# Altium PCB controller.PcbDoc (part 1 of 6) (continued)
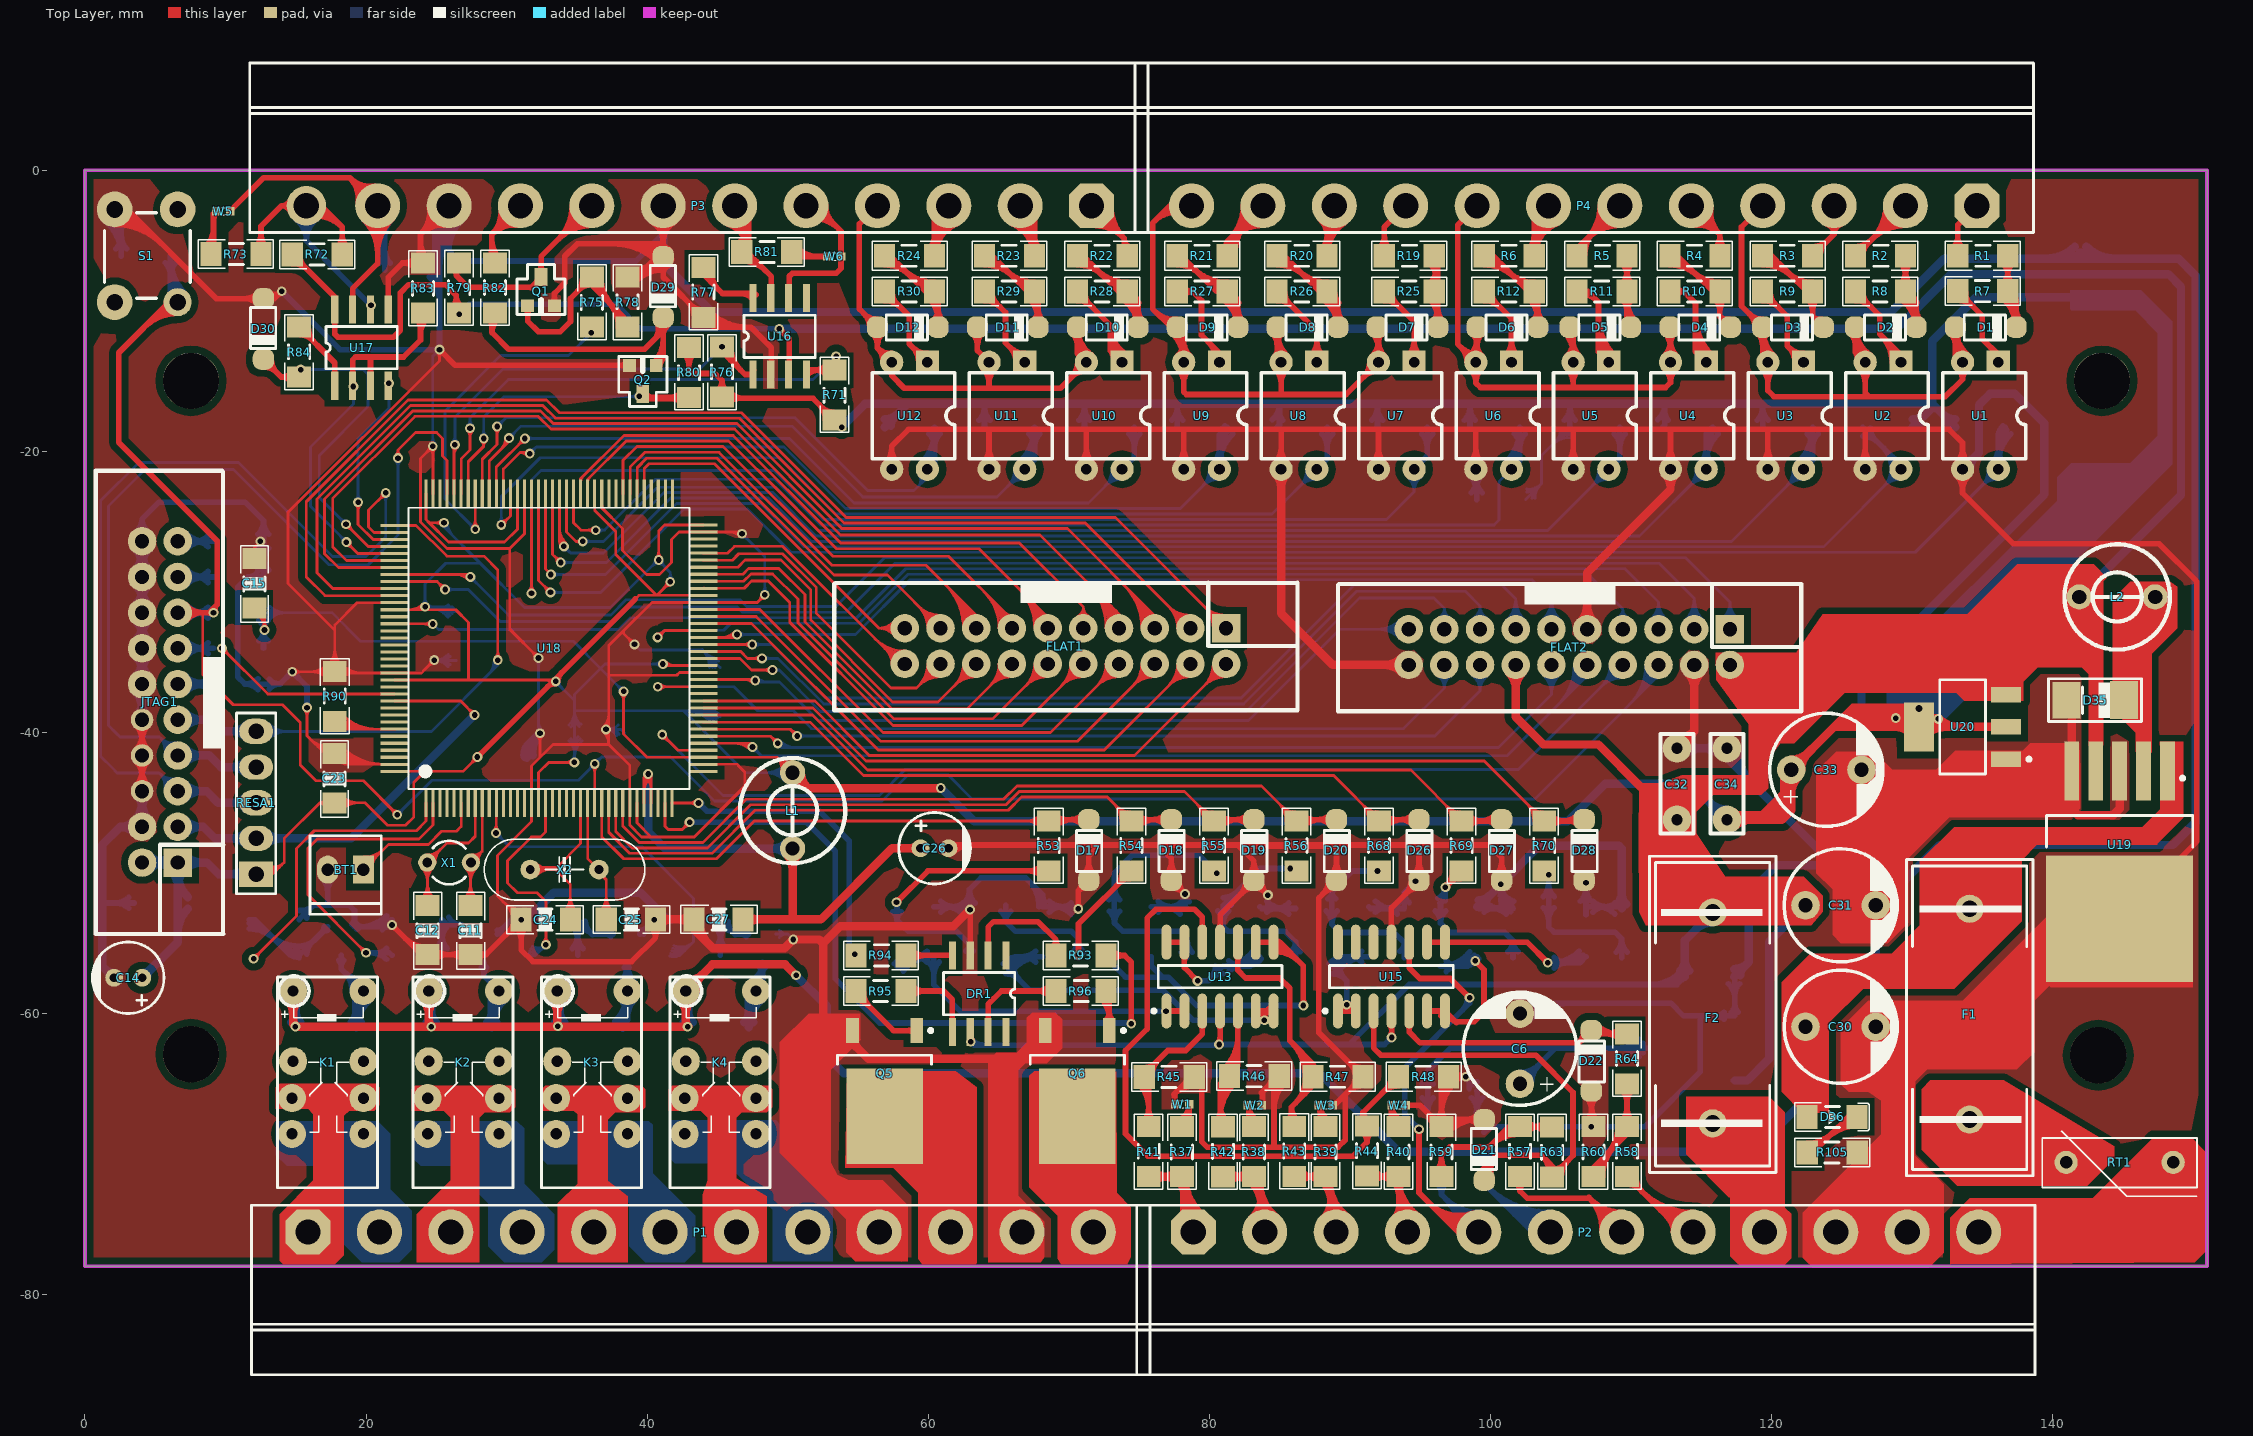
[diagram p0: Top Layer view]
## Components (designator, comment, footprint, x,y, rotation, side; value= is the part's Value field where it differs from the comment) (continued)
R77 "Res Semi" "RES 1206 (3216X08L)" 44,-9.975 r90 top
R78 "Res Semi" "RES 1206 (3216X08L)" 38.608,-10.668 r90 top
R79 "Res Semi" "RES 1206 (3216X08L)" 26.625,-9.65 r90 top
R80 "Res Semi" "RES 1206 (3216X08L)" 42.975,-13.125 r270 top
R81 "Res Semi" "RES 1206 (3216X08L)" 47.244,-5.825 r0 top
R82 "Res Semi" "RES 1206 (3216X08L)" 29.175,-9.65 r90 top
R83 "Res Semi" "RES 1206 (3216X08L)" 24.05,-7.125 r270 top
R84 "Res Semi" "RES 1206 (3216X08L)" 15.24,-14.224 r90 top
R85 "Res2" "RES 1206 (3216X08L)" 12.192,-31.496 r180 bottom
R86 "Res2" "RES 1206 (3216X08L)" 9.652,-36.576 r0 bottom
R87 "Res2" "RES 1206 (3216X08L)" 9.652,-28.956 r0 bottom
R88 "Res2" "RES 1206 (3216X08L)" 9.652,-26.416 r0 bottom
R89 "Res2" "RES 1206 (3216X08L)" 12.192,-34.036 r180 bottom
R90 "Res2" "RES 1206 (3216X08L)" 17.775,-38.725 r90 top
R93 "Res2" "RES 1206 (3216X08L)" 72.136,-55.88 r180 top
R94 "Res2" "RES 1206 (3216X08L)" 55.372,-55.88 r0 top
R95 "Res2" "RES 1206 (3216X08L)" 57.912,-58.42 r180 top
R96 "Res2" "RES 1206 (3216X08L)" 69.596,-58.42 r0 top
R97 "Res2" "RES 1206 (3216X08L)" 14.732,-55.88 r180 bottom
R98 "Res2" "RES 1206 (3216X08L)" 14.732,-53.34 r180 bottom
R99 "Res2" "RES 1206 (3216X08L)" 24.892,-55.88 r180 bottom
R100 "Res2" "RES 1206 (3216X08L)" 22.352,-53.34 r0 bottom
R101 "Res2" "RES 1206 (3216X08L)" 34.544,-55.88 r180 bottom
R102 "Res2" "RES 1206 (3216X08L)" 32.004,-53.34 r0 bottom
R103 "Res2" "RES 1206 (3216X08L)" 44.704,-55.88 r180 bottom
R104 "Res2" "RES 1206 (3216X08L)" 42.164,-53.34 r0 bottom
R105 "Res1" "RES 1206 (3216X08L)" 125.6,-69.9 r180 top
RESA1 "10K" "HEADER 5X1" 12.175,-50.1 r90 top
RT1 "Res Thermal" "Varistor Short Hieght - Vertical" 144.78,-70.612 r0 top
S1 "SW-DPST" SW4 6.6,-2.775 r270 top
U1 "817B" DIP+4 136.144,-13.67 r270 top
U2 "817B" DIP+4 129.217,-13.67 r270 top
U3 "817B" DIP+4 122.289,-13.67 r270 top
U4 "817B" DIP+4 115.362,-13.67 r270 top
U5 "817B" DIP+4 108.435,-13.67 r270 top
U6 "817B" DIP+4 101.508,-13.67 r270 top
U7 "817B" DIP+4 94.58,-13.67 r270 top
U8 "817B" DIP+4 87.653,-13.67 r270 top
U9 "817B" DIP+4 80.726,-13.67 r270 top
U10 "817B" DIP+4 73.799,-13.67 r270 top
U11 "817B" DIP+4 66.871,-13.67 r270 top
U12 "817B" DIP+4 59.944,-13.67 r270 top
U13 "LM324AD" SOP-14 80.772,-57.404 r90 top
U14 "ASM1117-3.3" SOT-223 114.3,-62.484 r270 bottom
U15 "LM324AD" SOP-14 92.964,-57.404 r90 top
U16 "MCP2551-I/SN" SOP8 47.525,-14.55 r90 top
U17 "MAX485CSA" SOP8 17.775,-15.35 r90 top
U18 "STM32F103ZET6" TQ144 33.02,-34.036 r90 top
U19 "LM2576" d2pak5-lead 144.78,-49.276 r270 top
U20 "ASM1117-3.3" SOT-223 133.604,-39.624 r90 top
W1 "Jumper" "RES 0402 (1005X04L)" 78.075,-66.475 r0 top
W2 "Jumper" "RES 0402 (1005X04L)" 83.25,-66.55 r180 top
W3 "Jumper" "RES 0402 (1005X04L)" 88.275,-66.55 r180 top
W4 "Jumper" "RES 0402 (1005X04L)" 93.472,-66.548 r180 top
W5 "Jumper" "RES 0402 (1005X04L)" 9.825,-2.925 r180 top
W6 "Jumper" "RES 0402 (1005X04L)" 53.3,-6.15 r180 top
X1 "XTAL" "XTAL RTC" 25.908,-49.276 r90 top
X2 "XTAL" "XTAL Small" 34.125,-49.775 r180 top

## Footprints (in the part's own frame and the unit in brackets; to place one, negate y for a bottom-side part, rotate by r counter-clockwise, add the part's x,y. Pads: shape width x height; smd on the part's side, far side on the other; paste and mask are expansions set on the pad)
2N3906_SMD [mil]
  rect 36x36 smd: 1(0,0) 2(75,0)
  rect 36x50 smd: 3(38,80)
  silkscreen extent -30,-25 105,115, body extent -20,-9 95,89, height 41
"box 20"#1 [mil]
  rect 80x80 hole 40: 1(0,0)
  round 80 hole 40: 2(0,-100) 3(-100,0) 4(-100,-100) 5(-200,0) 6(-200,-100) 7(-300,0) 8(-300,-100) 9(-400,0) 10(-400,-100) 11(-500,0) 12(-500,-100) 13(-600,0) 14(-600,-100) 15(-700,0) 16(-700,-100) 17(-800,0) 18(-800,-100) 19(-900,0) 20(-900,-100)
  silkscreen extent -1098,-230 200,127, body extent -1095,-245 200,125, height 366
"box 20"#2 [mil]
  rect 80x80 hole 40: 1(0,0)
  round 80 hole 40: 2(0,-100) 3(-100,0) 4(-100,-100) 5(-200,0) 7(-300,0) 9(-400,0) 11(-500,0) 12(-500,-100) 13(-600,0) 14(-600,-100) 15(-700,0) 16(-700,-100) 17(-800,0) 18(-800,-100) 19(-900,0) 20(-900,-100)
  round 62.99 hole 40: 6(-200,-100) 8(-300,-100) 10(-400,-100)
  silkscreen extent -1098,-230 200,127, body extent -1095,-245 200,125, height 366
"CAP 1206 (3216X08L)" [mm] "Chip Resistor, 2-Leads, Body 3.2x1.6mm, IPC High Density _ (0.125 W)"
  rect 1.5x1.7 smd: 1(-0.5,0) 2(3,0)
  silkscreen extent -1.43,-0.97 4.03,1, body extent -0.33,-0.83 2.87,0.77, height 1
d2pak5-lead [mm] "D2-PAK, 6-Leads, Body 8.6x10.2mm, Pitch 1.7mm, Lead Span 14.1mm, IPC Medium Density"
  rect 4.2x1.05 smd: 1(-6.5,3.4) 2(-6.5,1.7) 3(-6.5,0) 4(-6.5,-1.7) 5(-6.5,-3.4)
  rect 9x10.45 smd: 6(4,0)
  silkscreen extent -6.12,-5.2 -1.1,5.2, body extent -7.61,-5.21 7.61,5.09, height 4.5
"Diode-1n4148 - SMD PAD" [mil]
  rrect75% 59.06x60 smd: 1(40,0) 2(210,0)
  silkscreen extent 65,-36 180,34, body extent 52,-29 190,30, height 57
DIP+4 [mil]
  rect 65x65 hole 30: 1(0,0)
  round 65 hole 30: 2(0,-100) 3(300,-100) 4(300,0)
  silkscreen extent 30,-155 270,77, body extent -23,-135 323,45, height 145
DO214AC [mm] "M1 TO M7 DIODE"
  rect 2x2.6 smd: 1(0,0)
  rect 2x2.7 smd: 2(4.1,0)
  silkscreen extent -1.27,-1.52 5.33,1.52, body extent -0.71,-1.4 4.78,1.4, height 2.24
dpak-to252 [mm] "D-PAK, 4-Leads, Body 6.1x6.6mm, Pitch 2.29mm, Lead Span 9.7mm, IPC High Density"
  rect 1.8x0.9 smd: 1(-4.3,2.28) 3(-4.3,-2.28)
  rect 6.8x5.45 smd: 2(1.8,0)
  silkscreen extent -4.42,-3.35 -1.9,3.4, body extent -5.05,-3.43 5.05,3.3, height 2.37
"fuse plastic holder" [mm] "plastic fuse holder"
  round 2 hole 1.2: 1(0,0) 2(15,0)
  silkscreen extent -4,-4.5 18.5,4.5, body extent -3.4,-3.01 17.9,3.27, height 9.6
HDR1*2 [mm]
  rect 1.5x2 hole 0.9: 1(0,0)
  oval 1.5x2 hole 0.9: 2(2.54,0)
  silkscreen extent -1.27,-2.41 3.81,3.18, body extent -1.27,-2.5 3.85,3.3, height 11.4
"HEADER 5X1" [mm]
  rect 1.8x2.4 hole 1.1: 1(0,0)
  oval 1.8x2.4 hole 1.1: 2(2.54,0) 3(5.08,0) 4(7.62,0) 5(10.16,0)
  silkscreen extent -1.4,-1.4 11.46,1.4, body extent -1.22,-1.19 11.48,1.35, height 8.38
led-1206 [mm]
  rect 1.5x1.7 smd: 1(-1.808,0.025) 2(1.748,0.025)
  silkscreen extent -2.7,-0.99 2.6,1.04, body extent -1.55,-0.8 1.65,0.8, height 1.1
"POL 100U16V" [mm]
  round 1.27 hole 0.635: 1(1,0) 2(-1,0)
  silkscreen extent -2.55,-2.55 2.55,2.55, body extent -2.53,-2.53 2.53,2.53, height 12
"POL 100U/25V" [mil]
  round 80 hole 40: 1(0,0) 2(196.85,0)
  silkscreen extent -60,-158 257,158, body extent -57,-160 260,157, height 473
"POL 220U/35V" [mil]
  round 80 hole 40: 1(0,0) 2(196.85,0)
  silkscreen extent -60,-158 257,158, body extent -57,-160 260,157, height 473
"REC 10N" [mil]
  round 80 hole 32: 1(0,0) 2(200,0)
  silkscreen extent -40,-46 239,46, body extent -26,-46 222,49, height 269
"RELAY 12V ATX203" [mm] "POLARIT RELAY 8 PIN ATX203 TX2-12V"
  round 2 hole 0.8: 1(7.62,0) 1(7.62,-5.08) 2(5,0) 2(5,-5) 3(10.16,0) 3(10.16,-5.08) 4(0,-5) 5(0,0)
  silkscreen extent -1.08,-6.11 14,1, body extent -1.15,-6.26 13.85,1.14, height 2.7
"RES 0402 (1005X04L)" [mm] "Chip Resistor, 2-Leads, Body 1.0x0.5mm, IPC High Density _ (0.031/0.063 W)"
  rect 0.6x0.6 smd: 1(-0.5,0) 2(0.5,0)
  silkscreen extent -0.15,-0.25 0.15,0.25, body extent -0.51,-0.25 0.51,0.25, height 0.35
"RES 1206 (3216X08L)" [mm] "Chip Resistor, 2-Leads, Body 3.2x1.6mm, IPC High Density _ (0.125 W)"
  rect 1.5x1.7 smd: 1(-0.508,0) 2(3.048,0)
  silkscreen extent -1.4,-1.02 3.94,1.02, body extent -0.28,-0.8 2.82,0.8, height 0.55
SOP8 [mm]
  rect 2x0.51 smd: 1(0,0) 2(0,-1.27) 3(0,-2.54) 4(0,-3.81) 5(5.44,-3.81) 6(5.44,-2.54) 7(5.44,-1.27) 8(5.44,0)
  silkscreen extent 1.21,-4.44 4.23,0.64
SOP-14 [mm]
  oval 2.5x0.7 smd: 1(-2.437,3.811) 2(-2.437,2.541) 3(-2.437,1.271) 4(-2.437,0.001) 5(-2.437,-1.269) 6(-2.437,-2.539) 7(-2.437,-3.809) 8(2.463,-3.809) 9(2.463,-2.539) 10(2.463,-1.269) 11(2.463,0.001) 12(2.463,1.271) 13(2.463,2.541) 14(2.463,3.811)
  silkscreen extent -2.56,-4.4 0.81,4.84, body extent -3,-4.21 3,4.35, height 1.8
SOT-223 [mm] "SOT-223/SC-73; 4 Leads; Body 6.7 x 7.3 mm, inc. leads (LxW max)"
  rect 1.1x2.15 smd: 1(-2.3,-3.1) 2(0,-3.1) 3(2.3,-3.1)
  rect 3.5x2.15 smd: 4(0,3.1)
  silkscreen extent -3.35,-4.85 3.35,1.63
SW4 [mil]
  round 100 hole 47: 1(1.06,-0.16) 3(1.06,-176.53) 4(260.91,-176.53)
  round 78.74 hole 47: 2(260.91,-0.16)
  silkscreen extent 10,-205 250,35, body extent -47,-206 307,30, height 197
TQ144 [mm]
  rect 2x0.22 smd: 1(-11,8.75) 2(-11,8.25) 3(-11,7.75) 4(-11,7.25) 5(-11,6.75) 6(-11,6.25) 7(-11,5.75) 8(-11,5.25) 9(-11,4.75) 10(-11,4.25) 11(-11,3.75) 12(-11,3.25) 13(-11,2.75) 14(-11,2.25) 15(-11,1.75) 16(-11,1.25) 17(-11,0.75) 18(-11,0.25) 19(-11,-0.25) 20(-11,-0.75) 21(-11,-1.25) 22(-11,-1.75) 23(-11,-2.25) 24(-11,-2.75) 25(-11,-3.25) 26(-11,-3.75) 27(-11,-4.25) 28(-11,-4.75) 29(-11,-5.25) 30(-11,-5.75) 31(-11,-6.25) 32(-11,-6.75) 33(-11,-7.25) 34(-11,-7.75) 35(-11,-8.25) 36(-11,-8.75) 73(11,-8.775) 74(11,-8.275) 75(11,-7.775) 76(11,-7.275) 77(11,-6.775) 78(11,-6.275) 79(11,-5.775) 80(11,-5.275) 81(11,-4.775) 82(11,-4.275) 83(11,-3.75) 84(11,-3.25) 85(11,-2.75) 86(11,-2.25) 87(11,-1.75) 88(11,-1.25) 89(11,-0.75) 90(11,-0.25) 91(11,0.25) 92(11,0.75) 93(11,1.25) 94(11,1.75) 95(11,2.25) 96(11,2.75) 97(11,3.25) 98(11,3.75) 99(11,4.25) 100(11,4.75) 101(11,5.25) 102(11,5.75) 103(11,6.25) 104(11,6.75) 105(11,7.25) 106(11,7.75) 107(11,8.25) 108(11,8.75)
  rect 0.22x2 smd: 37(-8.75,-11) 38(-8.25,-11) 39(-7.75,-11) 40(-7.25,-11) 41(-6.75,-11) 42(-6.25,-11) 43(-5.75,-11) 44(-5.25,-11) 45(-4.75,-11) 46(-4.25,-11) 47(-3.75,-11) 48(-3.225,-11) 49(-2.725,-11) 50(-2.225,-11) 51(-1.725,-11) 52(-1.225,-11) 53(-0.725,-11) 54(-0.225,-11) 55(0.275,-11) 56(0.775,-11) 57(1.275,-11) 58(1.775,-11) 59(2.275,-11) 60(2.775,-11) 61(3.275,-11) 62(3.775,-11) 63(4.275,-11) 64(4.775,-11) 65(5.275,-11) 66(5.775,-11) 67(6.275,-11) 68(6.775,-11) 69(7.275,-11) 70(7.775,-11) 71(8.275,-11) 72(8.775,-11) 109(8.75,11) 110(8.25,11) 111(7.75,11) 112(7.25,11) 113(6.75,11) 114(6.25,11) 115(5.75,11) 116(5.25,11) 117(4.75,11) 118(4.25,11) 119(3.75,11) 120(3.25,11) 121(2.75,11) 122(2.25,11) 123(1.75,11) 124(1.25,11) 125(0.75,11) 126(0.25,11) 127(-0.25,11) 128(-0.75,11) 129(-1.25,11) 130(-1.75,11) 131(-2.25,11) 132(-2.75,11) 133(-3.25,11) 134(-3.75,11) 135(-4.25,11) 136(-4.75,11) 137(-5.25,11) 138(-5.75,11) 139(-6.25,11) 140(-6.75,11) 141(-7.25,11) 142(-7.75,11) 143(-8.25,11) 144(-8.75,11)
  silkscreen extent -10,-10 10,10, body extent -10.99,-11.02 11.01,10.98, height 1.69
TR [mm]
  round 1.8 hole 1.016: 1(0.018,0) 2(5.418,0)
  silkscreen extent -1.03,-3.75 6.47,3.75, body extent -2.25,-5 7.75,5, height 13.63
"Varistor Short Hieght - Vertical" [mil]
  round 65 hole 35: 1(150,0) 2(-150,0)
  silkscreen extent -216,-95 216,88, body extent -216,-70 216,68, height 472
W23112R5MILH#1 [mm]
  oct 3.2x3.2 hole 1.8: 1(-27.94,0)
  round 3.2 hole 1.8: 2(-22.86,0) 3(-17.78,0) 4(-12.7,0) 5(-7.62,0) 6(-2.54,0) 7(2.54,0) 8(7.62,0) 9(12.7,0) 10(17.78,0) 11(22.86,0) 12(27.94,0)
  silkscreen extent -31.96,-10.16 31.96,1.91
W23112R5MILH#2 [mm]
  oct 3.2x3.2 hole 1.8: 1(-27.94,0)
  round 3.2 hole 1.8: 2(-22.86,0) 3(-17.78,0) 4(-12.7,0) 5(-7.62,0) 6(-2.54,0) 7(2.54,0) 8(7.62,0) 9(12.7,0) 10(17.78,0) 11(22.86,0)
  round 2.8 hole 1.8: 12(27.94,0)
  silkscreen extent -31.96,-10.16 31.96,1.91
"XTAL RTC" [mm]
  round 1.3 hole 0.7: 1(0,1.55) 2(0,-1.55)
  silkscreen extent -1.55,-1.19 1.55,1.17, body extent -1.6,-1.73 1.6,1.72, height 8.98
"XTAL Small" [mil]
  round 55 hole 25: 1(-96.06,0) 2(96.06,0)
  silkscreen extent -225,-85 225,85, body extent -226,-89 226,89, height 140

## Part data
BT1: "Multicell Battery"
C1 C2 C3 C4 C5 C7 C8 C9 C10 C11 C12 C13 C15 C16 C17 C18 C19 C20 C21 C22 C23 C24 C25 C27 C32 C34: "Capacitor"
C6 C14 C26 C30 C31 C33: "Polarized Capacitor (Radial)"
D1 D2 D3 D4 D5 D6 D7 D8 D9 D10 D11 D12 D17 D18 D19 D20 D21 D22 D26 D27 D28 D30: library part "D Zener", "Zener Diode"
D13 D14 D15 D16 D23 D24 D25 D29: library part Diode, "Default Diode"
D31 D32 D33 D34: "High Conductance Fast Diode"
D35: "Schottky Diode"
D36: "Typical INFRARED GaAs LED"
F1 F2: "Fuse"
FLAT1 FLAT2 JTAG1: "Header, 10-Pin, Dual row"
K1 K2 K3 K4: "SPDT Relay"
P1 P2 P3 P4: "Header, 12-Pin"
Q1 Q2 Q7 Q8 Q9 Q10: "NPN General Purpose Amplifier"
Q5 Q6: "N-Channel MOSFET"
R1 R2 R3 R4 R5 R6 R7 R8 R9 R10 R11 R12 R13 R14 R15 R16 R17 R18 R19 R20 R21 R22 R23 R24 R25 R26 R27 R28 R29 R30 R31 R32 R33 R34 R35 R36 R49 R50 R51 R52 R53 R54 R55 R56 R65 R66 R67 R68 R69 R70 R71 R72 R73 R74 R75 R76 R77 R78 R79 R80 R81 R82 R83 R84: "Semiconductor Resistor"
R37 R38 R39 R40 R41 R42 R43 R44 R45 R46 R47 R48 R57 R58 R59 R60 R61 R62 R63 R64 R85 R86 R87 R88 R89 R90 R93 R94 R95 R96 R97 R98 R99 R100 R101 R102 R103 R104 R105: "Resistor"
RESA1: library part MHDR1X5, "Header, 5-Pin"
RT1: "Thermistor"
S1: "Double-Pole, Single-Throw Switch"
U1 U2 U3 U4 U5 U6 U7 U8 U9 U10 U11 U12: library part Optoisolator1, "4-Pin Phototransistor Optocoupler"
U13 U15: "Low-Power Quad Operational Amplifier"
U16: "High-Speed CAN Transceiver, 8-Pin SOIC, Industrial Temperature"
U17: "Low-Power, Slew-Rate-Limited RS-485/RS-422 Transceiver"
U18: "ARM Cortex-M3 32-bit MCU, 512 KB Flash, 64 KB Internal RAM, 112 I/Os, 144-pin LQFP, -40 to 85 degC, Tray"
U19: library part LM2576-5V
W1 W2 W3 W4 W5 W6: "Jumper Wire"
X1 X2: "Crystal Oscillator"

## Free pads (board coordinates)
  round 4 hole 4 mask+2: 5(7.54,-62.92) 5(7.54,-15) 5(143.256,-62.986) 5(143.52,-15)

## Via types
v1: diameter 0.7, hole 0.4, Top Layer to Bottom Layer, tented both sides, 124 vias
v2: diameter 0.8, hole 0.5, Top Layer to Bottom Layer, tented both sides, 1 vias

## Nets (pads, with @x,y where several pads share a name; then routed paths per layer and width w, separated by ;. In a path a pad name is that pad's centre, name@x,y a point inside that pad or via, vN(x,y) a via of type N, cw(c..) or ccw(c..) an arc to the next point about the centre after c; other vN are vias at no path point)
3.3REF: C5.2 C6.1 R61.2 U14.2 U14.4 | length 38.6
  Bottom Layer w0.4: C5.2@95.163,-66.021 cw(c94.224,-66.96) 95.552,-66.96 cw(c96.88,-66.96) C5.2@95.941,-66.021 ; C5.2@95.163,-65.043 ccw(c94.224,-64.104) 95.552,-64.104 ccw(c96.88,-64.104) C5.2@95.941,-65.043 ; 95.502,-67.054 cw(c94.604,-67.952) R61.2@95.871,-68.036 ; 95.652,-67.204 ccw(c96.42,-66.436) R61.2@96.42,-67.522 ; R61.2@96.52,-68.072 95.552,-67.104 C5.2@95.552,-65.532 95.552,-64.087 97.155,-62.484 104.648,-62.484 ; C6.1@102.108,-65.024 104.648,-62.484 ; C6.1@102.108,-64.208 ccw(c102.108,-62.238) 103.501,-63.631 ccw(c104.894,-65.024) C6.1@102.924,-65.024 ; U14.4@110.581,-63.103 ccw(c109.088,-64.596) 109.088,-62.484 ccw(c109.088,-60.372) U14.4@110.581,-61.865 ; U14.4@110.864,-62.82 ccw(c110.053,-63.631) 110.053,-62.484 ccw(c110.053,-61.337) U14.4@110.864,-62.148 ; U14.4@111.2,-62.484 104.648,-62.484
3.3V: C14.1 C15.2 C16.2 C17.2 C18.2 C19.2 C20.2 C21.2 C22.2 C23.2 C33.1 C34.2 JTAG1.1 JTAG1.2 L1.2 R13.2 R14.2 R15.2 R16.2 R17.2 R18.2 R31.2 R32.2 R33.2 R34.2 R35.2 R36.2 R71.2 R76.1 R80.1 R85.1 R89.1 RESA1.1 U18.17 U18.39 U18.52 U18.62 U18.72 U18.84 U18.95 U18.108 U18.121 U18.131 U18.144 U20.2 U20.4 | length 708.5
  Top Layer w0.2: C15.2@12.025,-31.582 cw(c11.738,-32.579) v1@12.775,-32.579 ; C15.2@12.05,-31.15 12.775,-31.875 v1(12.775,-32.725) ; C15.2@12.081,-31.39 cw(c11.815,-32.313) 12.775,-32.313 ; C15.2@12.136,-31.198 cw(c11.891,-32.047) 12.775,-32.047 ; RESA1.1@12.175,-50.1 13.35,-50.1 14.175,-49.275 ; C15.2@12.192,-31.006 cw(c11.968,-31.781) C15.2@12.775,-31.781 ; RESA1.1@12.475,-50.1 ccw(c12.898,-49.422) 13.463,-49.987 ; RESA1.1@12.581,-49.93 ccw(c13.035,-49.202) 13.641,-49.809 ; v1@12.598,-32.548 ccw(c12.171,-32.121) 12.775,-32.121 ccw(c13.379,-32.121) v1@12.952,-32.548 ; RESA1.1@12.687,-49.761 ccw(c13.171,-48.983) 13.819,-49.631 ; RESA1.1@12.792,-49.591 ccw(c13.308,-48.764) 13.997,-49.453 ; RESA1.1@12.898,-49.421 ccw(c13.445,-48.545) 14.175,-49.275 ; C23.2@17.038,-45.245 ccw(c16.725,-45.358) 16.725,-45.025 ; C23.2@17.038,-44.805 cw(c16.725,-44.692) 16.725,-45.025 ; C23.2@18.168,-45.343 cw(c18.936,-46.111) 18.936,-45.025 cw(c18.936,-43.939) C23.2@18.168,-44.707 ; C23.2@18.31,-45.485 cw(c19.419,-46.594) 19.419,-45.025 cw(c19.419,-43.456) C23.2@18.31,-44.565 ; U18.144@22.02,-42.786 24.175,-42.786 ; U18.131@22.02,-36.286 27.3,-36.286 ; U18.121@22.02,-31.286 v1@23.989,-31.286 ; 23.087,-31.286 ccw(c23.087,-29.962) v1@24.023,-30.898 ; 23.57,-31.286 ccw(c23.57,-30.445) v1@24.165,-31.04 ; v1(24.2,-31.075) v1@23.989,-31.286 ; U18.108@24.27,-23.036 24.27,-24.87 24.5,-25.1 ; v1@25.373,-25.277 ccw(c24.946,-25.704) 24.946,-25.1 ccw(c24.946,-24.496) v1@25.373,-24.923 ; v1(25.55,-25.1) 24.5,-25.1 ; v1@27.675,-41.761 cw(c27.071,-41.761) 27.498,-42.188 cw(c27.925,-42.615) v1@27.925,-42.011 ; v1(27.925,-41.761) 26.9,-42.786 24.175,-42.786 ; U18.95@30.77,-23.036 30.77,-25.555 29.85,-26.475 25.875,-26.475 24.5,-25.1 ; U18.17@32.27,-45.036 32.27,-42.88 33,-42.15 v1(34.825,-42.15) ; 32.655,-36.286 cw(c32.655,-37.231) v1@33.323,-36.563 ; v1@33.323,-36.209 cw(c33.138,-36.024) 33.138,-36.286 cw(c33.138,-36.748) v1@33.465,-36.421 ; v1(33.5,-36.386) 33.4,-36.286 27.3,-36.286 ; v1@34.648,-42.327 ccw(c34.221,-42.754) 34.221,-42.15 ccw(c34.221,-41.546) v1@34.648,-41.973 ; U18.84@36.27,-23.036 36.27,-24.226 37.771,-25.727 37.771,-27.346 40.686,-30.261 ; v1@38.148,-37.277 cw(c37.721,-37.704) 38.325,-37.704 cw(c38.929,-37.704) v1@38.502,-37.277 ; v1(38.325,-37.1) 38.325,-40.125 39.986,-41.786 U18.39@44.02,-41.786 49.254,-41.786 ; 39.168,-30.518 39.425,-30.261 40.686,-30.261 ; v1@40.648,-27.573 ccw(c40.221,-27.146) 40.825,-27.146 ccw(c41.429,-27.146) v1@41.002,-27.573 ; v1(40.825,-27.75) 40.825,-25.675 41.239,-25.261 U18.72@44.02,-25.261 ; v1(41.125,-35.15) 41.236,-35.261 U18.52@44.02,-35.261 ; v1@41.16,-35.115 ccw(c41.514,-34.761) 41.514,-35.261 ; v1@41.302,-35.327 cw(c41.461,-35.486) 41.461,-35.261 ; v1@41.302,-34.973 ccw(c41.997,-34.278) 41.997,-35.261 ; v1@41.4,-29.297 cw(c40.796,-29.297) 41.223,-29.724 cw(c41.65,-30.151) v1@41.65,-29.547 ; v1(41.65,-29.297) 40.686,-30.261 ; U18.62@44.02,-30.261 40.686,-30.261 ; L1.2@49.561,-42.749 ccw(c48.475,-42.565) 49.254,-41.786 ; L1.2@49.758,-42.782 ccw(c48.943,-42.644) 49.528,-42.06 ccw(c50.112,-41.476) L1.2@50.25,-42.291 ; L1.2@50.217,-42.093 cw(c50.033,-41.007) 49.254,-41.786 ; L1.2@50.35,-42.882 49.254,-41.786 ; 14.175,-49.275 14.175,-47.575 16.725,-45.025 ; 16.725,-45.025 C23.2@17.75,-45.025 19.925,-45.025 21.525,-46.625 22.8,-46.625 23.4,-46.025 23.4,-43.561 24.175,-42.786 ; v1@23.989,-31.286 24.2,-31.286 26.386,-31.286 27.3,-32.2 27.3,-36.286
  Top Layer w0.4: v1(27.925,-41.761) 33.4,-36.286 39.168,-30.518 ; v1@27.925,-41.611 ccw(c27.925,-41.249) 28.181,-41.505 ccw(c28.437,-41.761) v1@28.075,-41.761 ; 32.903,-36.783 cw(c33.5,-37.381) v1@33.5,-36.536 ; v1@33.65,-36.386 cw(c34.495,-36.386) 33.897,-35.789 ; R80.1@42.586,-13.006 cw(c41.647,-13.945) 42.975,-13.945 cw(c44.303,-13.945) R80.1@43.364,-13.006 ; R80.1@42.975,-12.617 42.975,-14.2 43.25,-14.475 44.825,-14.475 45.325,-14.975 ; R76.1@44.971,-15.737 ccw(c44.328,-14.975) 45.325,-14.975 ; R76.1@45.325,-16.458 R76.1@45.325,-16.158 ; R76.1@45.679,-15.737 cw(c46.322,-14.975) 45.325,-14.975 ; R76.1@45.814,-16.547 cw(c46.531,-17.264) 46.531,-16.25 ; R76.1@45.814,-15.769 ccw(c46.975,-14.608) 46.975,-16.25 ; 52.23,-16.67 cw(c51.121,-17.78) R71.2@52.69,-17.78 ; 52.472,-16.912 ccw(c53.24,-16.144) R71.2@53.24,-17.23 ; R71.2@53.698,-18.288 ccw(c53.336,-18.288) 53.592,-18.032 ccw(c53.848,-17.776) R71.2@53.848,-18.138 ; v1(53.848,-18.288) R71.2@53.34,-17.78 51.81,-16.25 45.417,-16.25 R76.1@45.325,-16.158 ; R76.1@45.325,-16.158 45.325,-14.975
  Top Layer w0.6: L1.2@50.35,-43.482 cw(c50.35,-44.931) 51.374,-43.906 cw(c52.399,-42.882) L1.2@50.95,-42.882 ; L1.2@50.35,-42.882 51.443,-43.975 v1(60.9,-43.975) ; C34.2@117.346,-46.734 cw(c118.569,-47.957) 118.569,-46.228 cw(c118.569,-44.499) C34.2@117.346,-45.722 ; C33.1@120.906,-43.178 cw(c119.683,-44.401) 121.412,-44.401 cw(c123.141,-44.401) C33.1@121.918,-43.178 ; C33.1@121.412,-41.956 ccw(c121.412,-40.227) 122.634,-41.45 ccw(c123.857,-42.672) C33.1@122.128,-42.672 ; 127.223,-39.624 ccw(c127.223,-37.373) v1@128.815,-38.965 ; 128.671,-39.624 ccw(c128.671,-38.821) 129.239,-39.389 ; U20.4@129.908,-40.12 ccw(c128.85,-41.001) 128.85,-39.624 ; U20.4@129.908,-39.128 cw(c128.85,-38.247) 128.85,-39.624 ; U20.4@130.504,-39.624 U20.4@130.005,-39.125 ; U20.4@131.052,-40.172 cw(c132.375,-41.495) 132.375,-39.624 cw(c132.375,-37.753) U20.4@131.052,-39.076 ; U20.4@131.168,-40.024 cw(c131.875,-40.449) 131.875,-39.624 ; U20.4@131.168,-39.224 ccw(c131.875,-38.799) 131.875,-39.624 ; U20.4@131.486,-39.439 ccw(c131.933,-38.992) 131.933,-39.624 ; v1@131.91,-39.015 ccw(c133.381,-37.544) 133.381,-39.624 ; U20.2@136.002,-39.801 ccw(c135.575,-40.228) 135.575,-39.624 ccw(c135.575,-39.02) U20.2@136.002,-39.447 ; U20.2@136.704,-39.624 131.875,-39.624 ; 119.036,-46.228 119.364,-45.9 ; 119.036,-46.228 119.6,-46.228 ; 119.036,-46.228 C34.2@116.84,-46.228 117.168,-45.9 119.364,-45.9 ; 119.364,-45.9 119.759,-45.505 120.834,-44.43 120.925,-44.339 ; 119.6,-46.228 119.6,-46.114 121.412,-44.302 ; 119.6,-46.228 120,-46.228 ; 120,-46.228 121.412,-44.816 ; 120,-46.228 120.747,-46.228 121.412,-45.563 121.412,-44.816 ; 120.925,-44.339 121.412,-43.852 ; 120.925,-44.339 120.925,-43.159 C33.1@121.412,-42.672 ; 121.412,-44.816 121.412,-44.302 ; 121.412,-44.302 121.412,-43.852 ; 121.412,-43.852 C33.1@121.412,-42.672 ; C33.1@121.412,-42.672 124.46,-39.624 ; 124.46,-39.624 128.85,-39.624 ; 124.46,-39.624 124.959,-39.125 ; 124.959,-39.125 128.85,-39.125 v1@128.975,-39.125 ; 124.959,-39.125 125.384,-38.7 ; 125.384,-38.7 128.85,-38.7 129.58,-38.7 U20.4@129.775,-38.895 ; 125.384,-38.7 125.809,-38.275 129.775,-38.275 U20.4@129.775,-38.895 ; 128.85,-39.624 129.474,-39.624 v1@128.975,-39.125 ; v1@128.975,-39.125 v1(128.85,-39) U20.4@129.88,-39 ; v1@128.975,-39.125 U20.4@130.005,-39.125 ; U20.4@129.775,-38.895 U20.4@129.88,-39 ; U20.4@129.88,-39 130.504,-39 131.825,-39 v1(131.875,-39.05) 131.875,-39.624 ; U20.4@129.88,-39 U20.4@130.005,-39.125
  Bottom Layer w0.2: v1@12.7,-32.8 v1(12.775,-32.725) ; R85.1@12.7,-31.496 17.571,-31.496 19.601,-33.526 34.751,-33.526 36.688,-35.462 ; R85.1@13.018,-31.814 cw(c13.786,-32.582) 13.786,-31.496 cw(c13.786,-30.41) R85.1@13.018,-31.178 ; R85.1@13.16,-31.956 cw(c14.269,-33.065) 14.269,-31.496 cw(c14.269,-29.927) R85.1@13.16,-31.036 ; v1@24.023,-30.898 ccw(c23.596,-30.471) 24.2,-30.471 ccw(c24.804,-30.471) 24.377,-30.898 ccw(c24.804,-30.471) 24.804,-31.075 ccw(c24.804,-31.679) v1@24.377,-31.252 ; 24.636,-31.075 cw(c24.636,-32.853) C17.2@25.984,-31.693 ; 25.072,-31.075 cw(c25.072,-32.478) C17.2@26.135,-31.563 ; 25.508,-31.075 cw(c25.508,-32.103) C17.2@26.287,-31.433 ; 25.54,-31.075 ccw(c25.54,-30.615) C17.2@25.865,-30.94 ; v1(25.55,-25.1) 25.55,-25.4 28.125,-27.975 ; v1@25.6,-25.1 ccw(c26.445,-25.1) 25.847,-25.697 ; v1@25.8,-25.1 ccw(c27.128,-25.1) 26.189,-26.039 ; C17.2@25.832,-31.824 ccw(c24.2,-33.228) v1(24.2,-31.075) ; C17.2@26.425,-31.4 26.1,-31.075 v1(24.2,-31.075) ; v1@33.5,-36.636 cw(c33.5,-37.141) 33.857,-36.784 ; v1@33.5,-36.427 34.825,-37.752 ; v1@33.75,-36.386 ccw(c34.452,-36.386) 33.956,-36.882 ; C18.2@34.44,-40.61 cw(c33.512,-41.538) 34.825,-41.538 ; C18.2@34.44,-39.49 ccw(c33.512,-38.562) 34.825,-38.562 ; C18.2@34.582,-40.468 cw(c33.995,-41.055) 34.825,-41.055 ; C18.2@34.582,-39.632 ccw(c33.995,-39.045) 34.825,-39.045 ; v1@34.648,-41.973 ccw(c34.221,-41.546) 34.825,-41.546 ccw(c35.429,-41.546) v1@35.002,-41.973 ; v1(34.825,-42.15) 34.825,-40.05 34.825,-38.475 ; v1@34.825,-41.9 cw(c36.65,-41.9) C18.2@35.36,-40.61 ; 34.825,-41.417 cw(c36.167,-41.417) C18.2@35.218,-40.468 ; 34.825,-40.935 cw(c35.685,-40.935) C18.2@35.077,-40.327 ; 34.825,-38.882 ccw(c35.724,-38.882) C18.2@35.175,-39.594 ; C18.2@35.297,-39.435 cw(c36.038,-38.475) 34.825,-38.475 ; v1@38.075,-37.1 ccw(c37.471,-37.1) 37.898,-36.673 ccw(c38.325,-36.246) v1@38.325,-36.85 ; v1(38.325,-37.1) 36.688,-35.462 ; 40.31,-28.213 cw(c40.825,-28.728) 40.825,-28 cw(c40.825,-28.479) 41.164,-28.14 ; 40.435,-28.089 ccw(c40.096,-27.75) v1@40.575,-27.75 ; v1@40.773,-27.75 37.398,-31.125 31.275,-31.125 28.125,-27.975 ; v1@40.799,-27.776 41.65,-28.627 v1(41.65,-29.297) ; v1@40.948,-35.327 ccw(c40.521,-35.754) 40.521,-35.15 ccw(c40.521,-34.546) v1@40.948,-34.973 ; v1@41.075,-27.75 ccw(c41.803,-27.75) 41.288,-28.265 ; v1(41.125,-35.15) 37,-35.15 36.688,-35.462 ; v1@41.473,-29.12 ccw(c41.046,-28.693) 41.65,-28.693 ccw(c42.254,-28.693) v1@41.827,-29.12 ; 43.065,-38.475 cw(c43.065,-40.828) C16.2@44.773,-39.21 ; 43.53,-38.475 cw(c43.53,-40.388) C16.2@44.919,-39.072 ; 43.995,-38.475 cw(c43.995,-39.947) C16.2@45.064,-38.934 ; C16.2@44.46,-38.475 cw(c44.46,-39.506) C16.2@45.209,-38.797 ; C16.2@44.628,-39.347 ccw(c42.6,-41.269) 42.6,-38.475 ; C16.2@45.2,-38.9 44.775,-38.475 42.6,-38.475 ; L1.2@49.784,-43.448 ccw(c48.419,-44.814) 48.419,-42.882 ccw(c48.419,-40.951) L1.2@49.784,-42.317 ; L1.2@49.926,-43.306 ccw(c48.901,-44.331) 48.901,-42.882 ccw(c48.901,-41.434) L1.2@49.926,-42.458 ; L1.2@50.067,-43.165 ccw(c49.384,-43.848) 49.384,-42.882 ccw(c49.384,-41.917) L1.2@50.067,-42.599 ; L1.2@50.35,-42.882 47.007,-42.882 42.6,-38.475 ; C22.2@102.525,-23.45 103.65,-22.325 ; C22.2@102.57,-22.902 ccw(c102.667,-21.938) 103.352,-22.623 ; C22.2@102.59,-22.703 ccw(c102.721,-21.396) 103.65,-22.325 ; C22.2@102.975,-23.35 cw(c103.82,-23.35) C22.2@103.222,-22.753 ; C22.2@103.175,-23.35 cw(c104.503,-23.35) 103.564,-22.411 ; 104.384,-19.568 cw(c105.664,-20.849) R17.2@105.664,-19.038 ; 104.625,-19.327 ccw(c103.686,-18.388) R17.2@105.014,-18.388 ; 104.725,-19.227 cw(c105.664,-20.166) R17.2@105.664,-18.838 ; R17.2@104.967,-18.985 ccw(c104.369,-18.388) R17.2@105.214,-18.388 ; R17.2@105.067,-18.885 cw(c105.664,-19.483) R17.2@105.664,-18.638 ; R17.2@105.664,-18.288 103.65,-20.302 103.65,-22.325 ; v1(24.2,-31.075) 24.2,-29.45 25.675,-27.975 28.125,-27.975 ; 34.825,-38.475 34.825,-37.752 ; 34.825,-38.475 42.6,-38.475 ; 34.825,-37.752 34.825,-37.325 36.688,-35.462
  Bottom Layer w0.4: R89.1@12.359,-33.505 ccw(c11.802,-32.8) v1@12.7,-32.8 ; R85.1@12.361,-32.029 cw(c11.816,-32.725) v1@12.7,-32.725 ; R89.1@12.7,-34.036 v1@12.7,-32.8 ; R89.1@12.7,-33.268 cw(c13.318,-33.268) v1@12.881,-32.831 ; R85.1@12.7,-32.182 ccw(c13.318,-32.182) v1@12.881,-32.619 ; R85.1@12.7,-31.496 v1@12.7,-32.725 ; R85.1@13.039,-32.029 ccw(c13.584,-32.725) v1@12.7,-32.725 ; R89.1@13.041,-33.505 cw(c13.598,-32.8) v1@12.7,-32.8 ; R35.2@63.619,-17.799 ccw(c62.68,-16.86) 64.008,-16.86 ccw(c65.336,-16.86) R35.2@64.397,-17.799 ; R35.2@64.008,-18.288 64.008,-16.642 ; R34.2@70.731,-17.799 ccw(c69.792,-16.86) 71.12,-16.86 ccw(c72.448,-16.86) R34.2@71.509,-17.799 ; R34.2@71.12,-18.288 71.12,-16.642 ; R33.2@77.335,-17.799 ccw(c76.396,-16.86) 77.724,-16.86 ccw(c79.052,-16.86) R33.2@78.113,-17.799 ; R33.2@77.724,-18.288 77.724,-16.642 ; R32.2@84.479,-17.769 ccw(c83.519,-16.642) 85,-16.642 85,-18.124 R32.2@84.836,-18.288 ; 85,-17.256 ccw(c85.768,-17.256) R32.2@85.225,-17.799 ; R31.2@91.559,-17.799 ccw(c90.555,-16.795) 91.975,-16.795 ; R31.2@91.948,-18.288 91.975,-18.261 91.975,-16.642 ; 91.975,-16.925 ccw(c93.211,-16.925) R31.2@92.337,-17.799 ; R18.2@98.163,-17.799 ccw(c97.224,-16.86) 98.552,-16.86 ccw(c99.88,-16.86) R18.2@98.941,-17.799 ; R18.2@98.552,-18.288 98.552,-16.642 ; R17.2@105.275,-17.799 ccw(c104.336,-16.86) 105.664,-16.86 ccw(c106.992,-16.86) R17.2@106.053,-17.799 ; R17.2@105.664,-18.288 105.664,-16.642 ; R16.2@111.908,-17.772 ccw(c110.931,-16.642) 112.425,-16.642 112.425,-18.131 R16.2@112.268,-18.288 ; 112.425,-17.239 ccw(c113.217,-17.239) R16.2@112.657,-17.799 ; R15.2@118.991,-17.799 ccw(c118.052,-16.86) 119.38,-16.86 ccw(c120.708,-16.86) R15.2@119.769,-17.799 ; R15.2@119.38,-18.288 119.38,-16.642
  Bottom Layer w0.6: JTAG1.2@4.064,-49.276 JTAG1.1@6.604,-49.276 ; C14.1@4.075,-57.475 6.604,-54.946 6.604,-52.15 JTAG1.1@6.604,-49.276 ; C14.1@4.075,-57.14 ccw(c4.075,-56.331) 4.647,-56.903 ccw(c5.219,-57.475) C14.1@4.41,-57.475 ; JTAG1.2@4.57,-49.782 cw(c5.793,-51.005) 5.793,-49.276 cw(c5.793,-47.547) JTAG1.2@4.57,-48.77 ; JTAG1.1@6.098,-48.77 cw(c4.875,-47.547) 4.875,-49.276 cw(c4.875,-51.005) 6.098,-49.782 cw(c4.875,-51.005) 6.604,-51.005 cw(c8.333,-51.005) 7.11,-49.782 cw(c8.333,-51.005) 8.333,-49.276 cw(c8.333,-47.547) JTAG1.1@7.11,-48.77 ; 6.604,-54.302 cw(c9.056,-54.302) C21.2@7.322,-52.568 ; JTAG1.1@6.604,-49.998 ccw(c9.056,-49.998) C21.2@7.322,-51.732 ; RESA1.1@11.451,-50.524 ccw(c10.426,-51.549) 10.426,-50.1 ccw(c10.426,-48.651) RESA1.1@11.451,-49.676 ; RESA1.1@12.175,-50.1 9.5,-50.1 8.676,-49.276 JTAG1.1@6.604,-49.276 ; C19.2@27.925,-41.825 v1(27.925,-41.761) ; v1(53.848,-18.288) 55.494,-16.642 58.542,-16.642 ; R36.2@56.896,-18.288 58.542,-16.642 ; R36.2@56.896,-17.738 ccw(c56.896,-16.41) 57.835,-17.349 ; R36.2@57.346,-18.188 cw(c58.191,-18.188) R36.2@57.593,-17.591 ; v1(60.9,-43.975) 63.275,-46.35 105.5,-46.35 108.175,-43.675 114.287,-43.675 C34.2@116.84,-46.228 ; C34.2@116.124,-46.228 ccw(c114.395,-46.228) 115.618,-45.006 ccw(c116.84,-43.783) C34.2@116.84,-45.512 ; v1(128.85,-39) 128.85,-38.675 129.125,-38.4 v2@130.475,-38.4 ; R14.2@130.048,-17.738 ccw(c130.048,-16.41) 130.987,-17.349 ; R14.2@130.217,-18.119 R14.2@130.048,-18.288 131.45,-16.886 131.45,-16.642 ; R14.2@130.498,-18.188 cw(c131.343,-18.188) R14.2@130.745,-17.591 ; v1(131.875,-39.05) 131.225,-38.4 130.5,-38.4 v2@130.475,-38.4 ; 132.157,-17.349 ccw(c133.096,-16.41) R13.2@133.096,-17.738 ; R13.2@132.399,-17.591 cw(c131.801,-18.188) R13.2@132.646,-18.188 ; R13.2@133.096,-18.288 132.279,-17.471 131.45,-16.642 ; 58.542,-16.642 64.008,-16.642 71.12,-16.642 77.724,-16.642 85,-16.642 91.975,-16.642 98.552,-16.642 105.664,-16.642 112.425,-16.642 119.38,-16.642 131.45,-16.642 ; v2@130.475,-38.4 130.475,-38.3 130.475,-37.2 148.125,-19.55 148.125,-11.143 146.032,-9.05 142,-9.05 134.575,-9.05 131.45,-12.175 131.45,-16.642
  other v2: 130.5,-38.3